# Altium PCB OpenCore_Carrier_Board.PcbDoc (part 1 of 5)
Units mm, origin at the board's own origin, x right, y up, seen from the top; angles counter-clockwise.
Board outline 161.24 x 91.44 mm, 6 copper layers (TOP, L2 GND, L3 PWR, L4 SIG, L5 GND, BOT), stack 1.538 mm thick; 268 components, 173 nets, 1302 pads, 1165 vias.
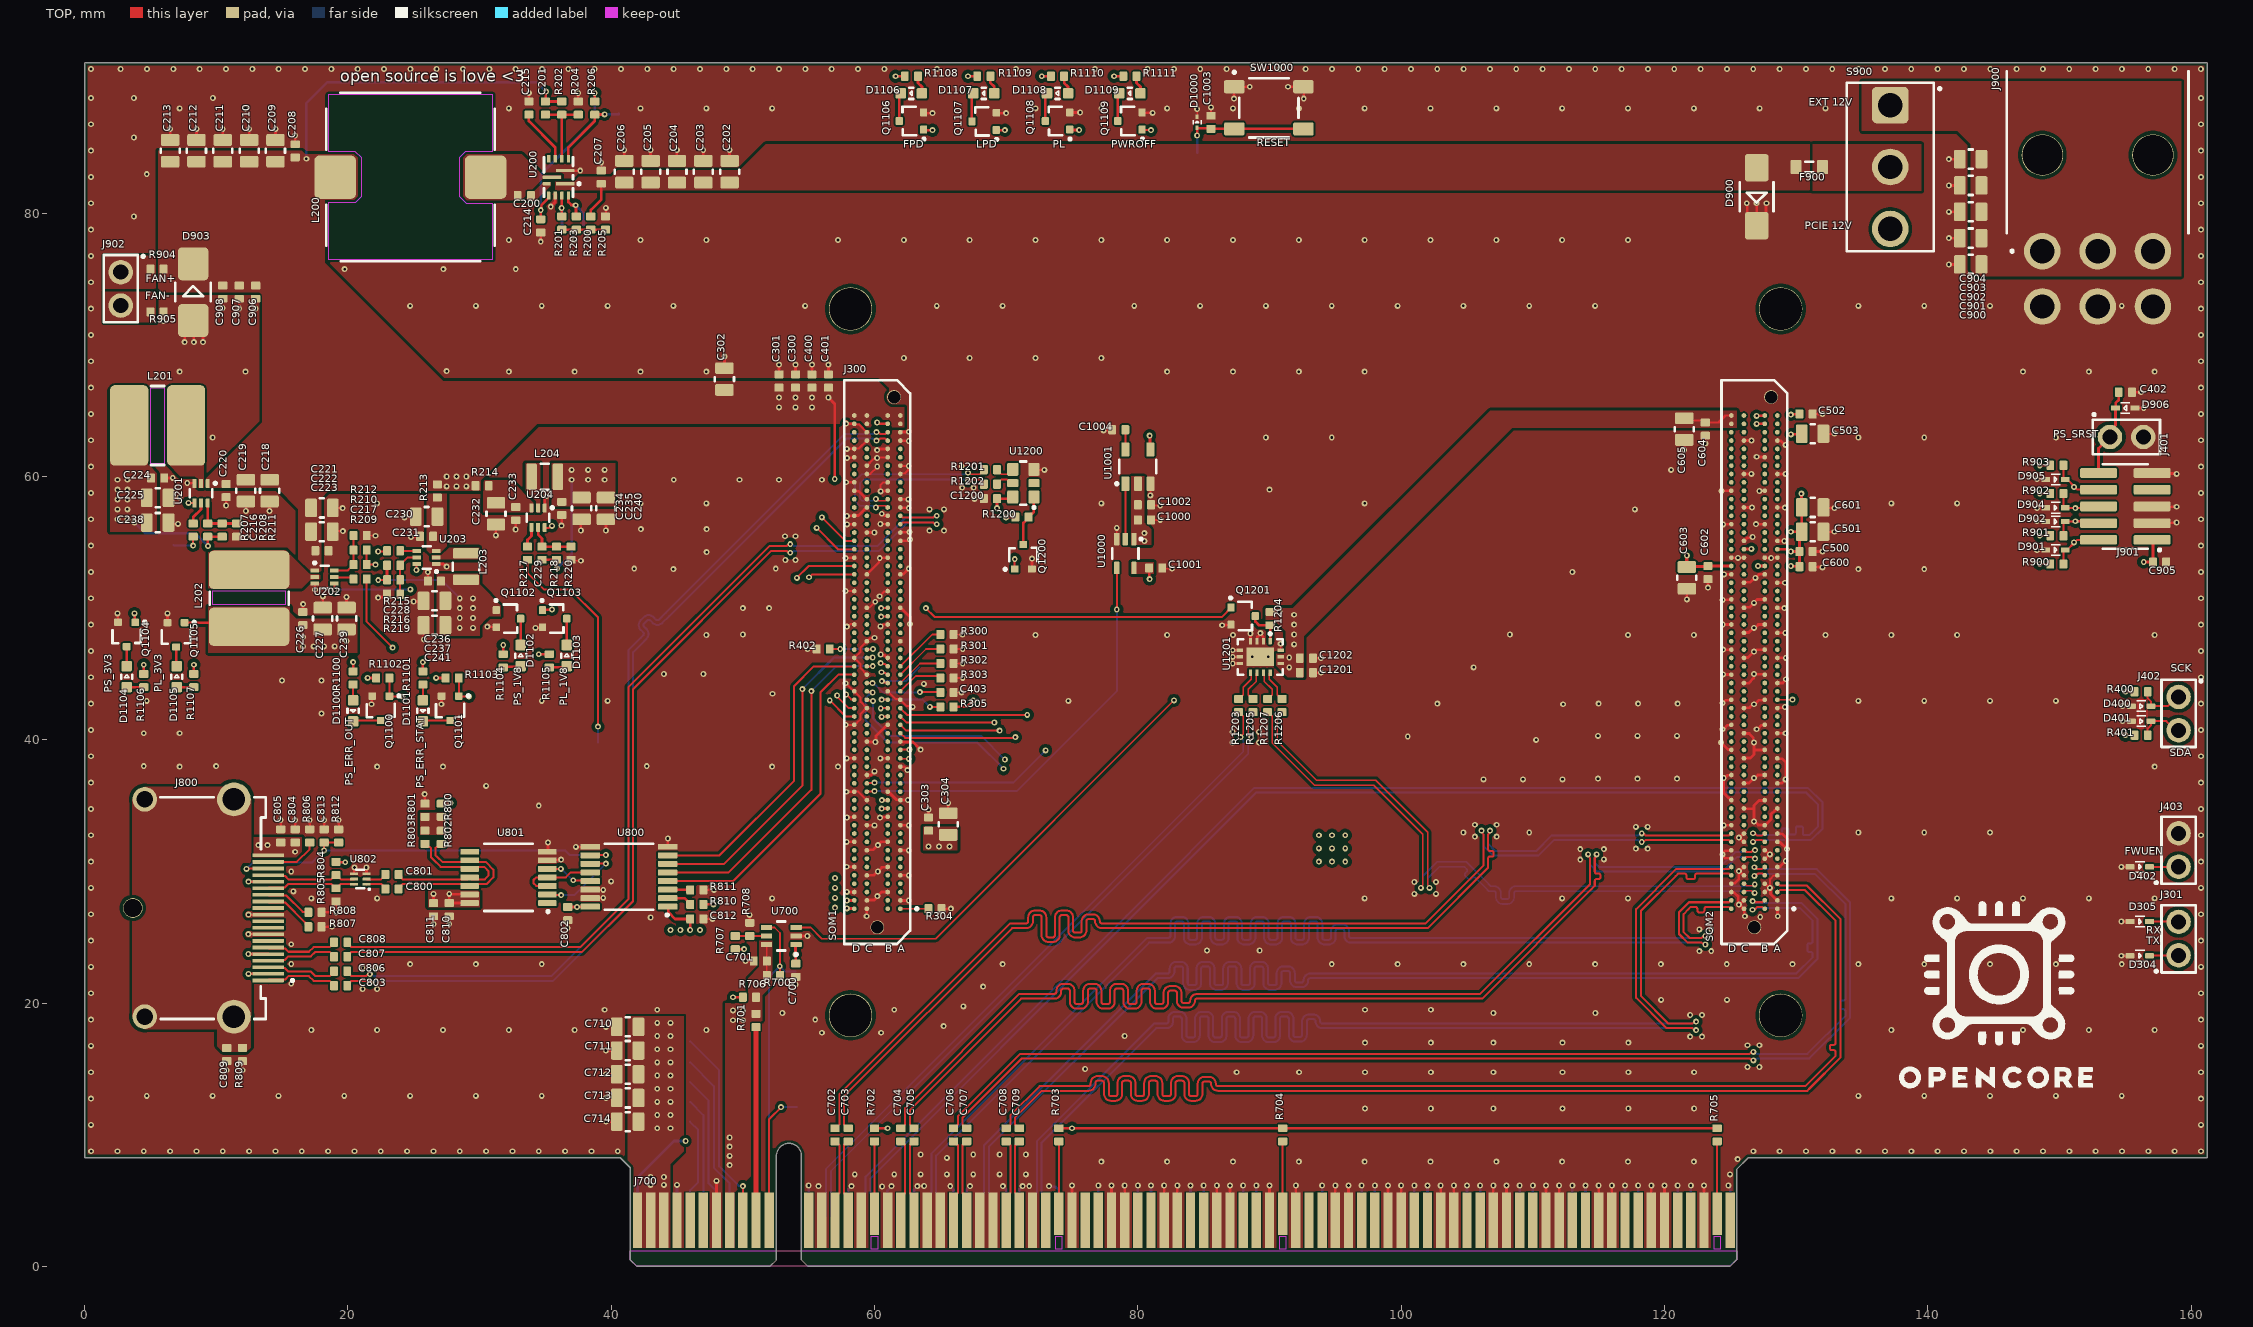
[diagram p0: TOP view]
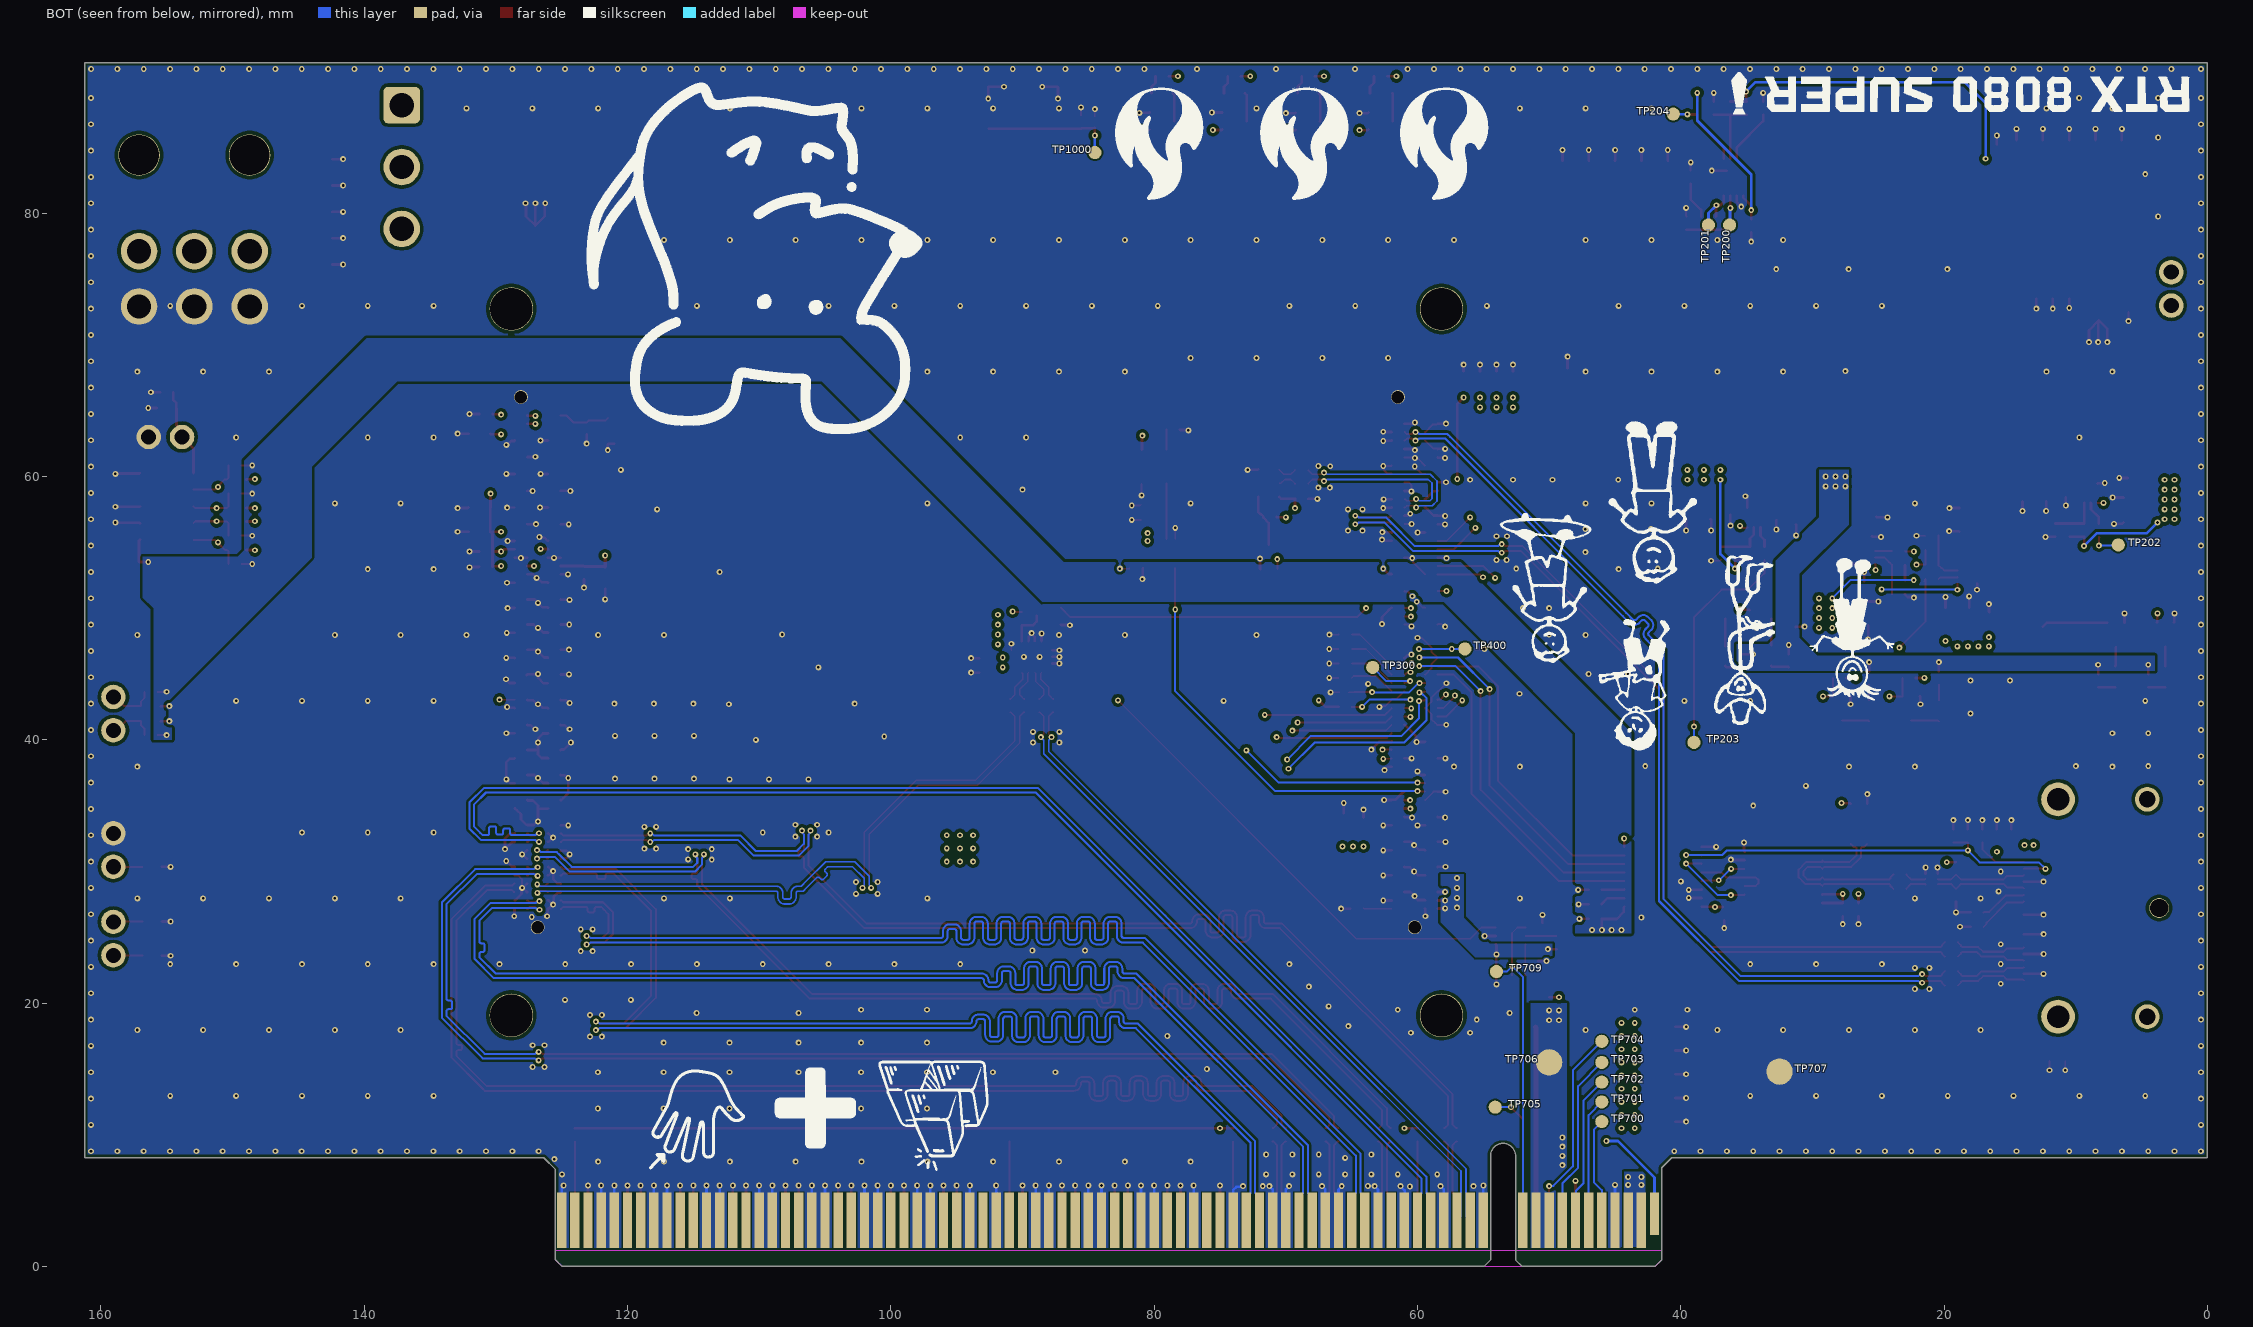
[diagram p1: BOT view, seen from below]
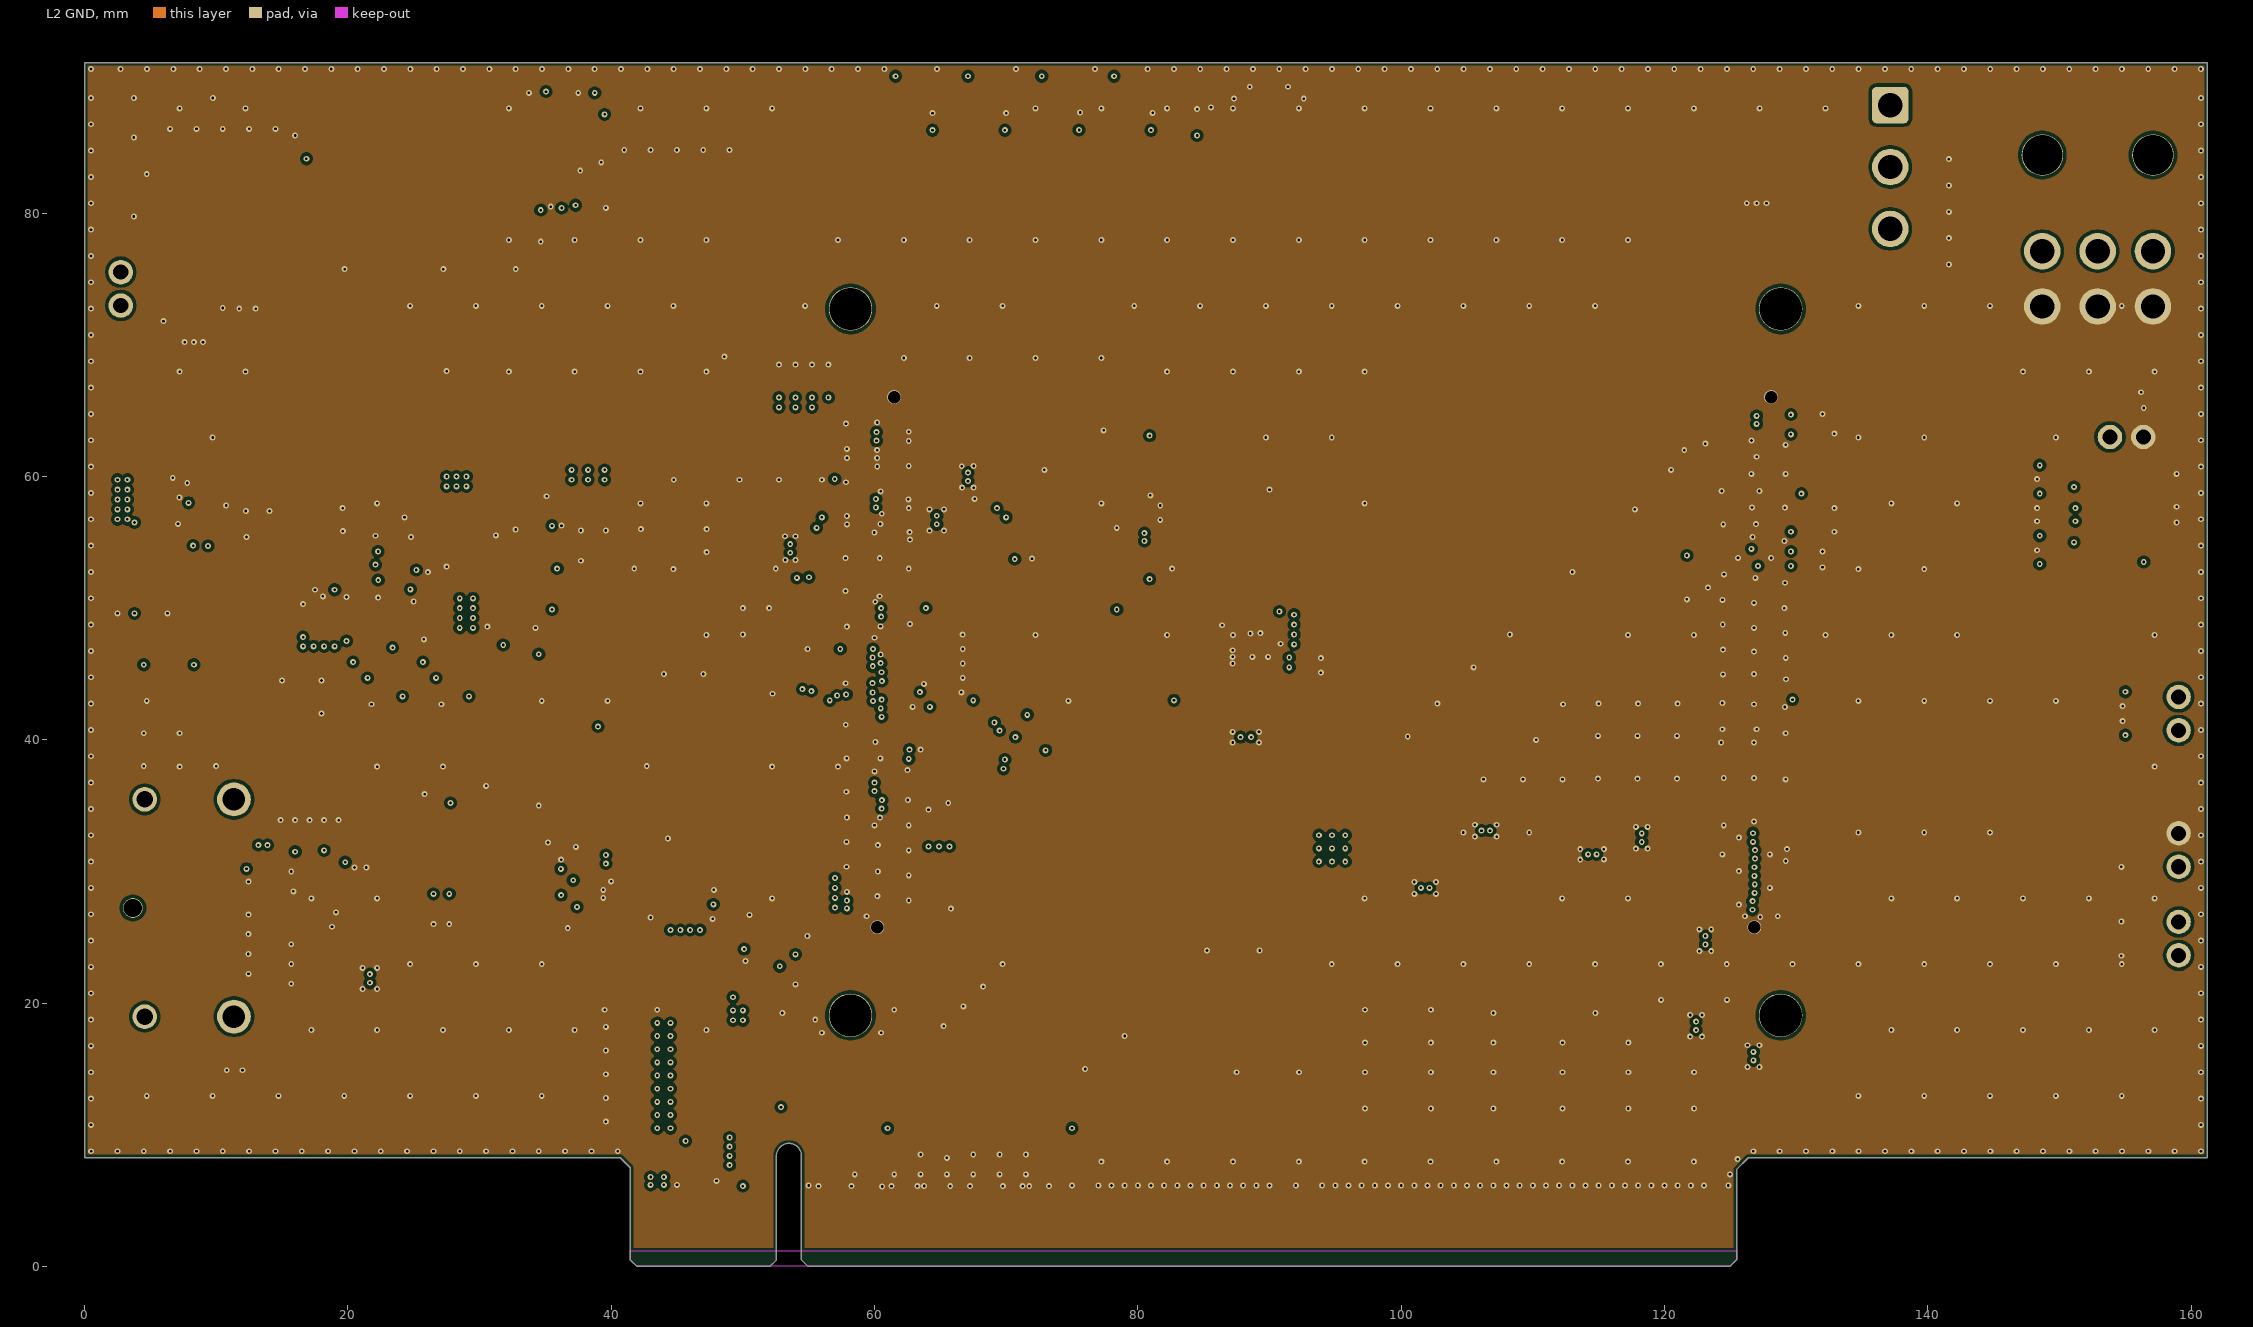
[diagram p2: L2 GND]
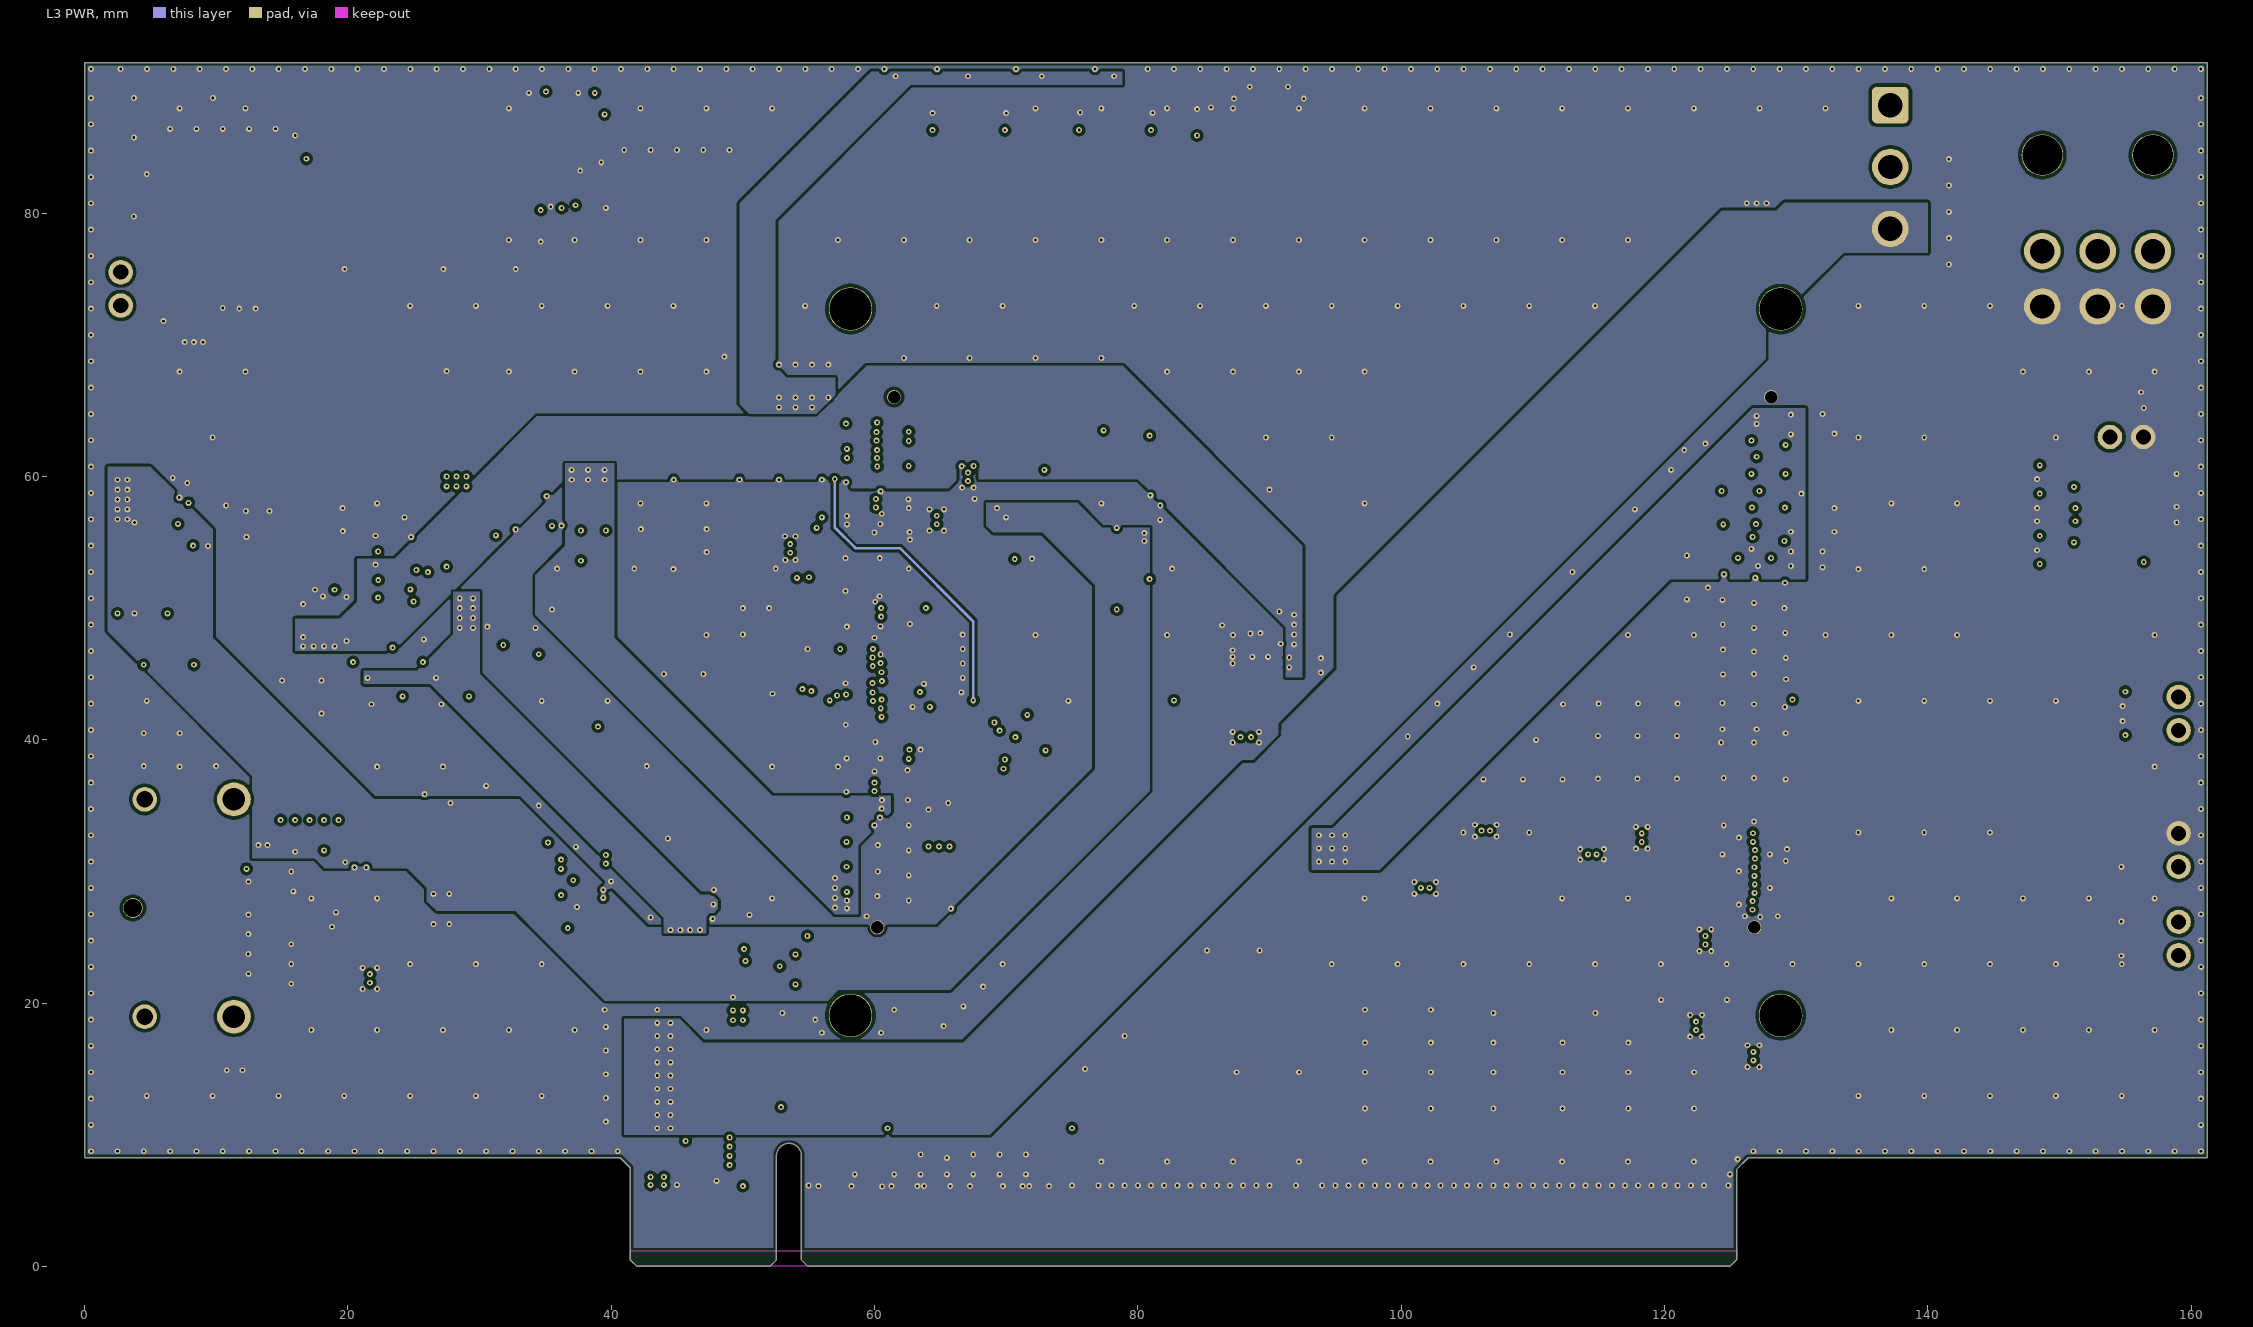
[diagram p3: L3 PWR]